# KiCad board VLF4_PCB.kicad_pcb (continued)
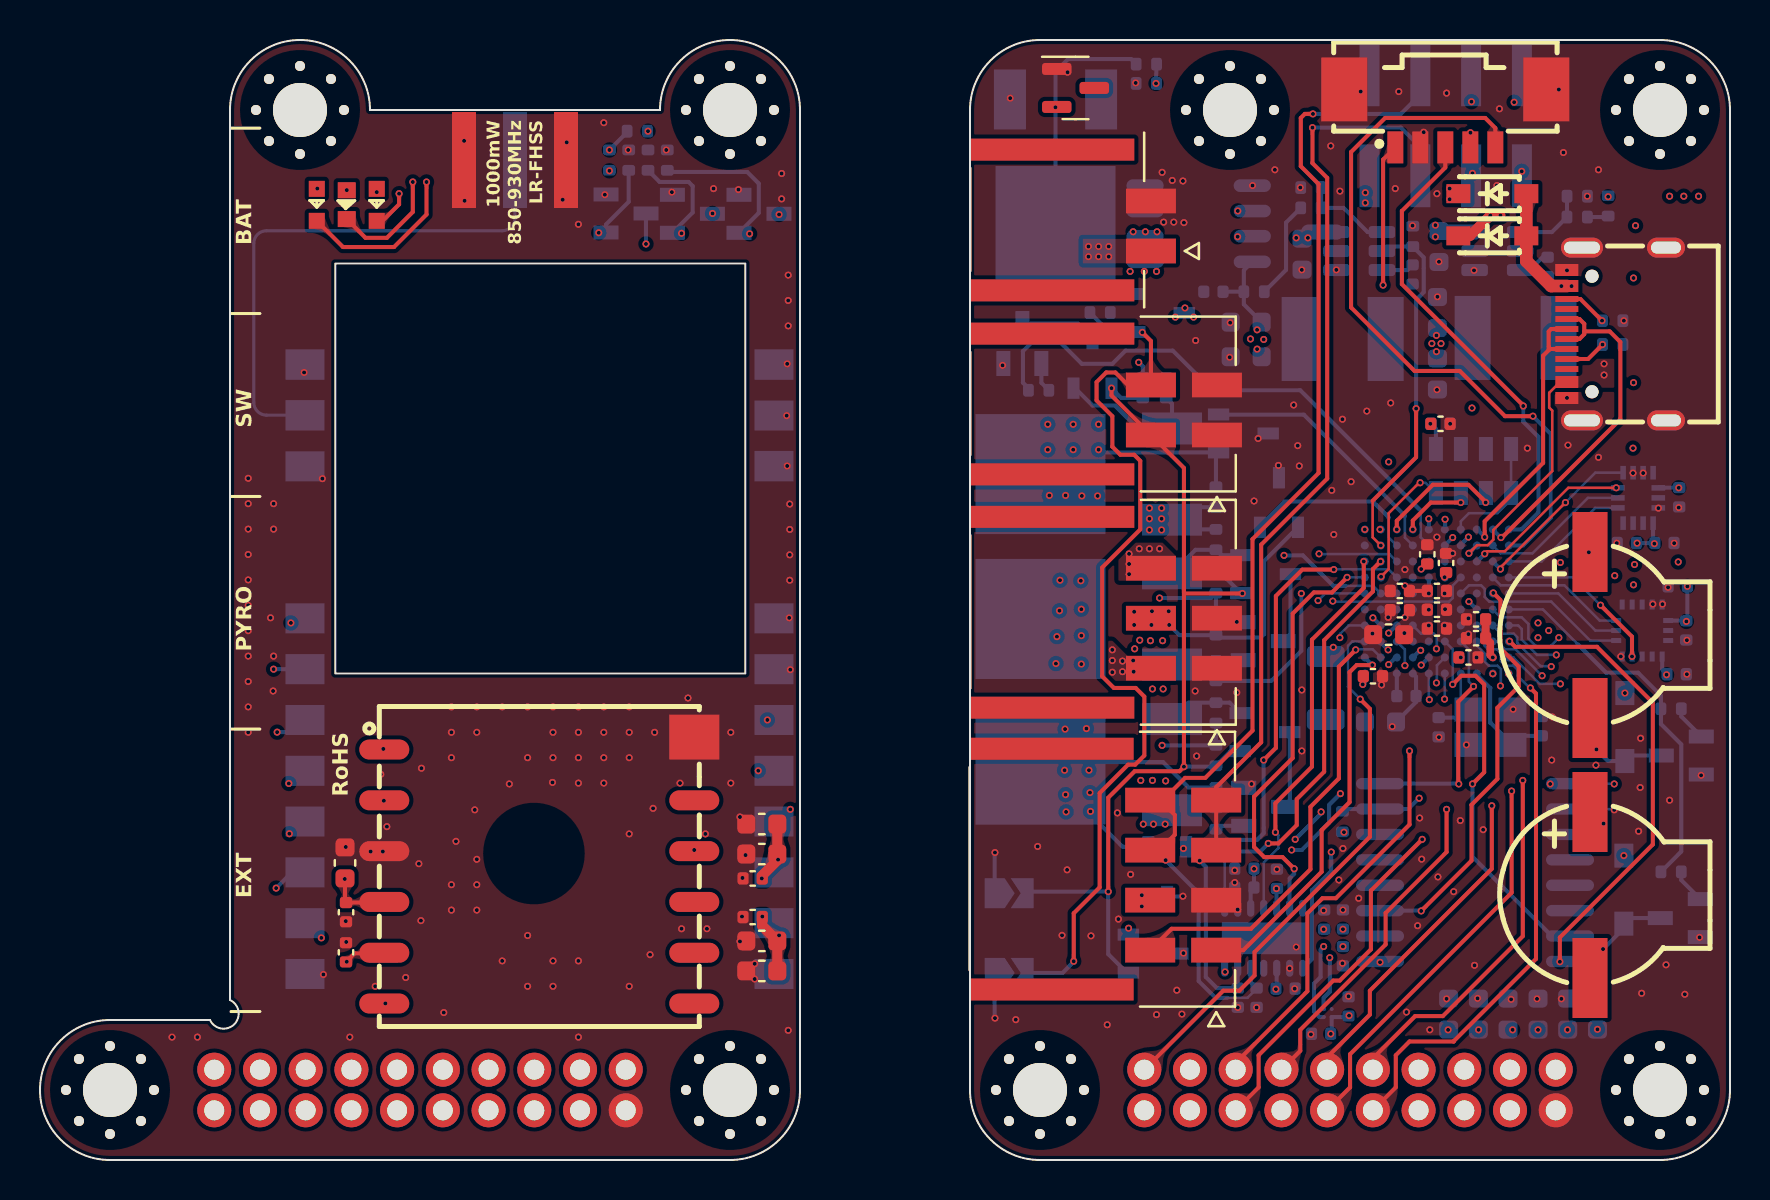
[diagram p0: board, top side]
## Nets
/Base Board/GND: C1.1 C3.2 C4.1 C5.2 C6.2 C8.2 C9.1 C10.1 C11.1 C12.1 C13.2 C14.2 C15.2 C16.2 C17.1 C18.1 C19.2 C20.2 C21.2 C22.2 C23.2 C24.2 C25.2 C26.2 C27.2 C28.2 C29.2 C30.2 C31.2 C32.2 C33.2 C41.2 C42.1 C43.2 C44.2 C45.1 C46.1 C47.1 C48.1 C49.1 C50.2 C51.2 C52.2 C53.2 C54.2 C55.1 C56.1 C57.2 D5.1 J1.1 J_BAT1.2 J_EXT1.2 J_EXT2.1 J_PYRO1.1 J_PYRO1.2 J_PYRO1.3 J_SW1.1 J_SW1.2 JP1.1 JP2.1 Q1.1 Q3.3 Q6.2 Q7.3 Q9.2 Q11.3 Q13.2 Q15.3 Q16.2 Q17.2 R1.1 R4.1 R7.1 R10.1 R25.2 R26.2 SWD1.2 SWD1.6 SWD1.7 U1.5 U2.1 U3.1 U4.10 U5.2 U5.3 U6.5 U6.12 U6.13 U6.16 U7.A1 U8.2 U8.3 U8.7 U9.C2 U9.D5 U9.E4 U9.E5 U9.E6 U9.G1 U9.J1 U12.2 U12.9 U12.15 USB1.13 USB1.14 USB1.15 USB1.16 USB1.A1B12 USB1.B1A12 X1.2 X1.4
/Base Board/Peripherals/3V3: C3.1 C4.2 C10.2 C11.2 C12.2 C13.1 C14.1 C15.1 C16.1 C17.2 C18.2 C19.1 C20.1 C21.1 C22.1 C23.1 C26.1 C27.1 C30.1 C31.1 C43.1 C46.2 C47.2 C48.2 C50.1 C55.2 C56.2 C57.1 J1.4 L1.2 L3.2 R6.2 R27.1 SWD1.4 U4.1 U4.2 U4.9 U5.1 U6.1 U6.14 U7.B1 U8.5 U8.8 U9.B2 U9.D2 U9.F4 U9.F5 U9.F6 U9.F7 U9.K1 U12.5
/Base Board/Peripherals/5V: BUZZER1.1 BUZZER2.1 C1.2 C8.1 C9.2 C41.1 C42.2 C49.2 C51.1 C52.1 C53.1 C54.1 D2.1 D3.1 D4.1 J1.2 L2.2 R9.2 U1.8 U12.3 U12.10
/Base Board/Power/5V_EN: R10.2 U3.5 U9.J9
/Extension Board/3V3: C34.2 C35.2 C36.1 J2.4 LED_G1.2 R28.1 R32.1 U10.4 U10.5
/Extension Board/5V: C37.2 C38.2 C39.1 C40.1 C58.2 C59.1 J2.2 U11.9 U11.10
/Extension Board/GND: C34.1 C35.1 C36.2 C37.1 C38.1 C39.2 C40.2 C58.1 C59.2 J2.1 Q18.2 Q19.2 Q20.2 R29.2 R30.2 R31.2 RF1.1 RF1.2 RF1.3 RF1.4 U10.3 U10.12 U11.1 U11.2 U11.3 U11.4 U11.5 U11.11 U11.12 U11.20 U11.22
/Base Board/BLUE_LED_CTRL: J1.9 U9.C4
/Base Board/CAN_H: C44.1 J_EXT1.3 J_EXT1.4 J_EXT2.4 U12.13
/Base Board/CAN_L: C45.2 J_EXT1.7 J_EXT1.8 J_EXT2.3 U12.12
/Base Board/GPS_nRST: J1.3 U9.B5
/Base Board/GPS_PPS: J1.10 U9.C5
/Base Board/GPS_RX: J1.16 U9.G2
/Base Board/GPS_TX: J1.18 U9.H2
/Base Board/GREEN_LED_CTRL: J1.13 U9.C3
/Base Board/LORA_BUSY: J1.11 U9.A1
/Base Board/LORA_CS: J1.8 U9.B3
/Base Board/LORA_DIO1: J1.12 U9.B1
/Base Board/LORA_DIO2: J1.7 U9.B4
/Base Board/LORA_MISO: J1.19 U9.J3
/Base Board/LORA_MOSI: J1.20 U9.K3
/Base Board/LORA_nRST: J1.6 U9.A2
/Base Board/LORA_RXEN: J1.15 U9.F1
/Base Board/LORA_SCK: J1.17 U9.H3
/Base Board/LORA_TXEN: J1.14 U9.E2
/Base Board/Peripherals/ACC_CLK: U6.4 U9.A7
/Base Board/Peripherals/ACC_CS: U6.8 U9.B7
/Base Board/Peripherals/ACC_MISO: U6.7 U9.A6
/Base Board/Peripherals/ACC_MOSI: U6.6 U9.D6
/Base Board/Peripherals/BARO_CLK: U5.8 U9.J7
/Base Board/Peripherals/BARO_CS: U5.4 U5.5 U9.D10
/Base Board/Peripherals/BARO_MISO: U5.6 U9.H10
/Base Board/Peripherals/BARO_MOSI: U5.7 U9.G10
/Base Board/Peripherals/BUZZER_CTRL: R23.1 R24.1 U9.A5
/Base Board/Peripherals/CAN_EN: U9.K7 U12.6
/Base Board/Peripherals/CAN_ERR_N: U9.D7 U12.8
/Base Board/Peripherals/CAN_RX: U9.K8 U12.4
/Base Board/Peripherals/CAN_STB_N: U9.J6 U12.14
/Base Board/Peripherals/CAN_TX: U9.J8 U12.1
/Base Board/Peripherals/FLASH_CLK: U4.16 U9.A3
/Base Board/Peripherals/FLASH_CS: R27.2 U4.7 U9.F2
/Base Board/Peripherals/FLASH_MISO: U4.8 U9.D3
/Base Board/Peripherals/FLASH_MOSI: U4.15 U9.E3
/Base Board/Peripherals/FLASH_nRESET: U4.3 U9.B6
/Base Board/Peripherals/IMU_CS: U8.12 U9.A8
/Base Board/Peripherals/IMU_MISO: U8.1 U9.B8
/Base Board/Peripherals/IMU_MOSI: U8.14 U9.C8
/Base Board/Peripherals/IMU_SCL: U8.13 U9.B9
/Base Board/Peripherals/MAG_SCL: U7.A2 U9.K10
/Base Board/Peripherals/MAG_SDA: U7.B2 U9.J10
/Base Board/Peripherals/USB_D+: U9.B10 USB1.A6 USB1.B6
/Base Board/Peripherals/USB_D-: U9.C10 USB1.A7 USB1.B7
/Base Board/Power/BAT_V_M: R1.2 R2.1 U9.J4
/Base Board/Power/CURR_M: U1.7 U9.H4
/Base Board/Power/CURR_REF: U1.6 U9.G4
/Base Board/Power/PWR_IN: D5.2 J_BAT1.1 Q1.3 R2.2
/Base Board/Power/PWR_SW_SIGNAL: J_SW1.4 JP1.2 Q2.1 R3.1
/Base Board/Power/SW_BAT: C5.1 C6.1 D1.1 J_EXT1.6 J_EXT2.2 Q2.3 U2.3 U3.3
/Base Board/Power/USB_IN: D1.2 D2.2 U9.C9 USB1.A4B9 USB1.B4A9
/Base Board/Pyro/ARM_DETECT: Q3.2 U9.K4
/Base Board/Pyro/ARM_SIGNAL: J_SW1.3 JP2.2 Q3.1 Q5.1 Q8.1 Q12.1 R12.2 R16.2 R20.2
/Base Board/Pyro/PYRO1_CONT: Q7.2 U9.K6
/Base Board/Pyro/PYRO1_CTRL: R13.2 U9.H7
/Base Board/Pyro/PYRO2_CONT: Q11.2 U9.H9
/Base Board/Pyro/PYRO2_CTRL: R17.2 U9.H8
/Base Board/Pyro/PYRO3_CONT: Q15.2 U9.G9
/Base Board/Pyro/PYRO3_CTRL: R21.2 U9.F9
/Base Board/Pyro/PYRO_1: J_PYRO1.4 Q4.3 Q7.1 R14.2
/Base Board/Pyro/PYRO_2: J_PYRO1.5 Q10.3 Q11.1 R18.2
/Base Board/Pyro/PYRO_3: J_PYRO1.6 Q14.3 Q15.1 R22.2
/Base Board/Pyro/PYRO_PWR: Q2.2 Q4.2 Q10.2 Q14.2 R3.2 R11.1 R12.1 R14.1 R15.1 R16.1 R18.1 R19.1 R20.1 R22.1 U1.1 U1.2
/Base Board/RED_LED_CTRL: J1.5 U9.A4
/Base Board/STM/EXT_1_UART_RX: J_EXT1.5 U9.J2
/Base Board/STM/EXT_1_UART_TX: J_EXT1.1 U9.K2
/Base Board/STM/EXT_2_I2C_SCL: J_EXT2.8 U9.D9
/Base Board/STM/EXT_2_I2C_SDA: J_EXT2.7 U9.E9
/Base Board/STM/EXT_2_UART_RX: J_EXT2.6 U9.E10
/Base Board/STM/EXT_2_UART_TX: J_EXT2.5 U9.F10
/Base Board/STM/nRST: SWD1.1 U9.E1
/Base Board/STM/SWDCLK: SWD1.5 U9.A9
/Base Board/STM/SWDIO: SWD1.3 U9.A10
/Extension Board/BLUE_LED_CTRL: J2.9 Q20.1 R31.1
/Extension Board/GPS_nRST: J2.3 U10.10
/Extension Board/GPS_PPS: J2.10 U10.6
/Extension Board/GPS_RX: J2.16 U10.1
/Extension Board/GPS_TX: J2.18 U10.2
/Extension Board/GREEN_LED_CTRL: J2.13 Q19.1 R30.1
/Extension Board/LORA_BUSY: J2.11 U11.14
/Extension Board/LORA_CS: J2.8 U11.19
/Extension Board/LORA_DIO1: J2.12 U11.13
/Extension Board/LORA_DIO2: J2.7 U11.8
/Extension Board/LORA_MISO: J2.19 U11.16
/Extension Board/LORA_MOSI: J2.20 U11.17
/Extension Board/LORA_nRST: J2.6 U11.15
/Extension Board/LORA_RXEN: J2.15 U11.6
/Extension Board/LORA_SCK: J2.17 U11.18
/Extension Board/LORA_TXEN: J2.14 U11.7
/Extension Board/RED_LED_CTRL: J2.5 Q18.1 R29.1
Net-(C28-Pad1): C28.1 U9.E7
Net-(C29-Pad1): C29.1 U9.F8
Net-(D3-+): BUZZER1.2 D3.2 Q16.3
Net-(D4-+): BUZZER2.2 D4.2 Q17.3
Net-(LED1-A): LED1.2 R32.2
Net-(LED1-C): LED1.1 Q20.3
Net-(LED_G1-C): LED_G1.1 Q19.3
Net-(LED_R1-A): LED_R1.2 R28.2
Net-(LED_R1-K): LED_R1.1 Q18.3
Net-(Q1-S): Q1.2 U1.3 U1.4
Net-(Q4-G): Q4.1 Q5.2 R11.2
Net-(Q5-D): Q5.3 Q6.3
Net-(Q6-B): Q6.1 R13.1
Net-(Q8-D): Q8.3 Q9.3
Net-(Q9-B): Q9.1 R17.1
Net-(Q10-G): Q8.2 Q10.1 R15.2
Net-(Q12-D): Q12.3 Q13.3
Net-(Q12-S): Q12.2 Q14.1 R19.2
Net-(Q13-B): Q13.1 R21.1
Net-(Q16-B): Q16.1 R23.2
Net-(Q17-B): Q17.1 R24.2
Net-(R5-Pad1): R5.1 R6.1
Net-(R8-Pad1): R8.1 R9.1
Net-(U2-BST): C2.1 U2.6
Net-(U2-FB): R4.2 R5.2 U2.4
Net-(U2-SW): C2.2 L1.1 U2.2
Net-(U3-BST): C7.1 U3.6
Net-(U3-FB): R7.2 R8.2 U3.4
Net-(U3-SW): C7.2 L2.1 U3.2
Net-(U9-PH0): C32.1 U9.C1 X1.3
Net-(U9-PH1): C33.1 U9.D1 X1.1
Net-(U9-VDDA): C24.1 C25.1 L3.1 U9.H1
Net-(U11-ANT): RF1.5 U11.21
Net-(USB1-CC1): R26.1 USB1.A5
Net-(USB1-CC2): R25.1 USB1.B5

Pads without a net: D5 3; J_BAT1 S1 S2; J_EXT1 S1 S2; J_PYRO1 S1 S2; J_SW1 S1 S2; U2 5; U4 4 5 6 11 12 13 14; U6 2 3 9 10 11 15; U8 4 6 9 10 11; U9 C6 C7 D4 D8 E8 F3 G3 G5 G6 G7 G8 H5 H6 J5 K5 K9; U10 7 8 9 11; U12 7 11; USB1 A8 B8

## Via types
v1: diameter 0.356, hole 0.203, Top to Bottom, 582 vias

## Routing (per net, layer and track width the routed paths; a pad name or vN(x,y) marks a point on that pad's centre or on a via; arc(x,y) is an arc through that point)
/Base Board/GND: length 10.5
  Bottom w0.127: v1(78.71,17.51) 78.67,17.55 U4.10
  Bottom w0.203: C25.2 68.8,22.9 C24.2 68.8,24.17 U9.G1 ; 47.72,7.12 47.7,7.09 v1(47.75,7.09) 47.75,7.14 47.73,7.13 JP1.1 ; Q7.3 57.14,13.18 v1(57.15,13.19) ; 47.72,15.35 47.7,15.37 v1(47.75,15.37) 47.75,15.32 47.73,15.34 JP2.1
  vias: v1(48.13,39.73) v1(48.51,53.09) v1(48.79,7.02) v1(49.88,15.68) v1(51.1,11.23) v1(51.38,54.39) v1(51.36,14.51) v1(52.55,11.21) v1(53.36,6.76) v1(53.87,17.35) v1(53.92,12.05) v1(54.53,14.28) v1(54.78,53.85) v1(55.83,7.27) v1(56.1,49.38) v1(56.18,46.89) v1(56.61,48.98) v1(56.69,46.89) v1(56.84,8.49) v1(57.15,48.95) v1(57.1,7.3) v1(57.2,46.87) v1(57.17,10.34) v1(57.78,40.98) v1(57.76,23.45) v1(57.83,20.2) v1(59.51,41.87) v1(59.48,40.14) v1(59.74,14.48) v1(59.74,13.87) v1(59.84,26.9) v1(59.84,23.37) v1(59.88,12.52) v1(59.89,7.63) v1(60.63,48.72) v1(60.58,18.8) v1(60.7,32.95) v1(60.83,7.63) v1(60.91,36.07) v1(61.74,49.51) v1(61.85,14.53) v1(61.92,34.73) v1(62.48,9.58) v1(62.68,37.75) v1(62.73,8.57) v1(62.81,10.65) v1(62.89,35.72) v1(63.01,48.62) v1(62.96,34.7) v1(63.09,44.51) v1(63.09,23.5) v1(63.09,20.45) v1(63.55,6.28) v1(64.18,12.48) v1(64.54,50.7) v1(64.59,33.48) v1(64.69,31.27) v1(64.82,44.51) v1(64.94,14) v1(65,48.44) v1(65.12,37.04) v1(65.15,15.58) v1(65.15,12.5) v1(65.12,9.84) v1(65.43,8.18) v1(65.55,33.91) v1(65.93,13.09) v1(66.04,53.42) v1(66.34,37.45) v1(66.62,26.32) v1(67.08,23.75) v1(67.41,27.13) v1(67.53,37.85) v1(67.61,21.67) v1(67.76,48.57) v1(67.94,53.42) v1(68.25,29.52) v1(68.32,7.4) v1(68.63,46.72) v1(68.88,11.72) v1(68.98,17.1) v1(69.08,15.04) v1(69.19,51.39) v1(69.49,6.51) v1(69.85,48.32) v1(69.85,38.51) v1(69.85,31.15) v1(69.95,44.91) v1(69.87,43.16) v1(69.95,21.14) v1(69.9,14.15) v1(70.23,28.33) v1(70.23,26.73) v1(70.33,53.35) v1(70.25,27.54) v1(70.33,8.06) v1(70.51,36.81) v1(70.63,30.33) v1(70.68,13.42) v1(71.01,16.97) v1(71.32,20.76) v1(71.42,27.08) v1(71.42,26.29) v1(71.7,44.48) v1(71.73,9.73) v1(71.83,25.13) v1(71.88,8.08) v1(72.16,16.52) v1(72.84,48.72) v1(72.97,52.56) v1(73.55,8.03) v1(73.66,22.54) v1(74.37,35.59) v1(74.85,8.06) v1(75.61,22.15) v1(75.59,20) v1(75.94,53.52) v1(76.07,8.06) v1(76.17,50.37) v1(76.35,44.48) v1(76.35,38.11) v1(76.4,35.74) v1(77.36,48.19) v1(77.8,19.74) v1(77.92,49.51) v1(77.92,35.13) v1(78.84,30.84) v1(79.04,25.18) v1(79.19,41.97) v1(79.65,34.35) v1(79.93,16.44) v1(80.03,21.09) v1(80.01,18.62) v1(80.08,8.34) v1(80.16,34.35) v1(80.64,27.79) v1(80.92,32.59) v1(81.12,27.79) v1(81.3,9.76) v1(81.4,28.63) v1(81.48,17.99) v1(81.71,30.84) v1(81.94,32.62) v1(82.24,8.29) v1(82.34,25.99) v1(82.34,24.29) v1(82.98,11.13) v1(83.05,19.23)
/Base Board/Peripherals/3V3: length 32.1
  Top w0.203: C30.1 C31.1
  Top w0.381: C26.1 C27.1 72.51,25.86 72.51,25.25 v1(72.64,25.13)
  Ground1 w0.381: v1(69.82,41.23) 75.82,47.22 77.64,47.22 78.41,47.99 v1(78.41,48.16)
  Power w0.203: 75.49,18.8 v1(75.51,18.8) v1(78.71,18.8)
  Bottom w0.127: U4.9 78.69,18.82 v1(78.71,18.8)
  Bottom w0.203: C17.2 81.11,24.54 U6.1 ; U8.5 80.93,33.62 C13.1 ; C14.1 80.65,30.94 U8.8 ; U5.1 69.8,36.56 C48.2 ; C15.1 65.37,7.15 U7.B1 64.59,6.36 C16.1 ; v1(66.14,23.78) 66.24,23.88 U9.K1 ; v1(80.72,30.82) 80.69,30.84 v1(79.85,30.84) ; C43.1 v1(61.82,13.57) 61.84,13.55 U12.5 61.85,12.6 ; U9.F7 U9.F6 ; C47.2 82.37,27.01 C18.2 82.3,26.97 U6.14
  vias: v1(64.18,11.54) v1(64.54,6.31) v1(64.66,25.63) v1(65.15,11.54) v1(65.15,10.67) v1(65.2,16.39) v1(65.45,7.22) v1(67,9.89) v1(68.25,28.71) v1(68.25,27.13) v1(68.22,26.35) v1(69.44,28.33) v1(69.44,27.51) v1(69.44,26.73) v1(69.52,36.81) v1(69.59,40.82) v1(69.82,40.42) v1(70.05,40.82) v1(70.41,6.51) v1(71.04,25.13) v1(71.52,51.36) v1(71.93,6.51) v1(74.9,26.85) v1(74.9,26.12) v1(75.43,26.47) v1(76.02,29.88) v1(78.74,29.22) v1(79.68,44.1) v1(79.68,38.87) v1(79.65,35.59) v1(79.73,29.77) v1(79.68,28.76) v1(79.78,46.72) v1(81.33,24.26) v1(81.48,48.19) v1(81.94,33.61) v1(81.91,29.9) v1(82.19,48.19) v1(82.32,26.93) v1(82.37,28.68) v1(82.93,48.19)
/Base Board/Peripherals/5V: length 10.2
  Top w0.508: v1(73.02,47.22) v1(72.51,47.22) 71.5,46.21 D2.1
  Bottom w0.203: C8.1 60.19,42.78 R9.2 ; R9.2 C1.2 ; R9.2 60.19,44.49 U1.8 ; C41.1 61.84,8.61 U12.10 ; U12.3 60.53,13.46 C42.2 60.7,13.63 60.7,14.56 v1(60.7,14.56) C49.2
  vias: v1(60.52,41.05) v1(60.85,41.51) v1(60.85,40.54) v1(61.19,41.03) v1(61.79,8.54) v1(73.63,6.51) v1(74.9,6.51) v1(76.37,6.51) v1(77.44,30.38) v1(77.87,6.53) v1(78.18,16.82) v1(79.24,23.35) v1(79.19,15.22)
/Base Board/Power/5V_EN: length 18
  Top w0.127: 66.63,32.96 66.63,31.13 v1(67.04,30.73) ; 68.75,35.08 68.81,35.13
  Top w0.203: 68.81,35.13 v1(68.81,37.57) ; 66.63,32.96 68.75,35.08
  Bottom w0.203: 68.81,37.6 68.81,43.01 69.19,43.39 69.19,45.13 R10.2 67.32,45.67 U3.5
/Extension Board/3V3: length 87.8
  Top w0.203: 17.59,10.33 15.73,10.33 15.34,9.94 v1(15.34,9.91) 15.31,9.91 15.3,9.9 ; 17.59,12.87 15.3,12.87 C34.2 15.25,12.92 15.25,14.04 v1(15.24,14.05) 15.25,14.07 C35.2
  Ground1 w0.508: 21.96,9.55 21.61,9.91 v1(15.34,9.91) ; 21.96,9.55 J2.4 ; 21.96,9.55 19.81,11.71 19.81,14.18 ; 19.81,14.18 19.71,14.08 15.26,14.08 v1(15.24,14.05) ; 19.81,14.18 19.81,21.19 17.9,23.09 14.14,23.09 13.36,23.88 13.36,33.13 12.21,34.27 12.21,43.77 v1(16.84,48.39)
  In.Cu w0.508: v1(16.84,48.39) 16.84,47.81 17.9,46.74 25.96,46.74 27.68,48.47 27.68,49.71 v1(28.47,50.5)
  Bottom w0.203: R28.1 29.36,51.39 R32.1
/Extension Board/5V: length 5.8
  Top w0.508: C39.1 36.11,11.71 C40.1 C59.1 ; v1(36.9,15.02) 36.11,14.23 C37.2 ; C58.2 C38.2
  vias: v1(36.09,14.08) v1(36.12,12.17) v1(36.95,11.23)
/Extension Board/GND:
  vias: v1(6.6,6.15) v1(7.87,6.15) v1(10.41,34.09) v1(10.41,32.82) v1(10.41,31.55) v1(10.41,30.28) v1(10.41,29.01) v1(10.41,27.74) v1(10.41,26.47) v1(10.41,25.2) v1(10.41,23.93) v1(10.41,22.66) v1(10.41,21.39) v1(11.53,27.11) v1(11.68,32.82) v1(11.68,31.55) v1(11.68,25.2) v1(11.66,23.45) v1(13.2,39.38) v1(14.12,34.07) v1(14.17,9.28) v1(15.29,15.65) v1(15.29,11.94) v1(15.31,10.9) v1(15.49,6.15) v1(16.53,15.42) v1(16.76,8.69) v1(17.04,19.28) v1(17.14,15.42) v1(17.34,16.67) v1(18.28,9.12) v1(18.94,14.81) v1(19.05,11.97) v1(19.07,19.59) v1(20.19,7.37) v1(20.57,22.66) v1(20.57,21.39) v1(20.57,20.12) v1(20.57,13.77) v1(20.57,12.5) v1(20.8,15.93) v1(21.21,50.96) v1(21.23,47.96) v1(21.74,17.51) v1(21.84,22.66) v1(21.84,21.39) v1(21.84,15.04) v1(21.84,13.77) v1(21.84,12.5) v1(23.11,22.66) v1(23.11,9.96) v1(23.47,18.8) v1(24.38,22.66) v1(24.38,20.12) v1(24.38,11.23) v1(24.38,8.69) v1(25.62,18.88) v1(25.65,22.66) v1(25.65,21.39) v1(25.65,20.12) v1(25.65,9.96) v1(25.65,8.69) v1(26.13,48.01) v1(26.34,50.88) v1(26.92,46.79) v1(26.92,22.66) v1(26.92,21.39) v1(26.92,20.12) v1(26.92,18.85) v1(26.92,9.96) v1(26.92,6.15) v1(28.19,51.87) v1(28.24,48.27) v1(28.19,22.66) v1(28.19,21.39) v1(28.19,20.12) v1(28.19,18.85) v1(29.41,50.5) v1(29.46,22.66) v1(29.46,21.39) v1(29.46,20.12) v1(29.46,16.31) v1(29.46,8.69) v1(30.5,10.27) v1(30.73,21.39) v1(30.65,17.58) v1(31.31,50.5) v1(31.59,48.39) v1(32,18.85) v1(32.08,11.56) v1(32.4,23.1) v1(33.27,16.31) v1(33.35,11.56) v1(33.68,48.57) v1(34.54,21.39) v1(34.54,18.85) v1(34.92,48.52) v1(35,17.15) v1(35,10.93) v1(35.12,14.1) v1(35.1,12.17) v1(35.28,15.25) v1(35.73,9.81) v1(35.73,9.05) v1(37.08,49.33) v1(37.08,48.06) v1(37.33,37.22) v1(37.41,44.25) v1(37.41,42.98) v1(37.41,41.71) v1(37.36,39.81) v1(37.36,34.7) v1(37.41,6.48) v1(37.49,32.8) v1(37.49,31.53) v1(37.49,30.26) v1(37.49,28.99) v1(37.46,27.11) v1(37.51,24.52)
/Base Board/BLUE_LED_CTRL: length 30.6
  Top w0.203: J1.9 67.79,3.63 67.79,5.24 68.47,5.92 70.68,5.92 70.68,5.94 74.8,10.05 74.8,23.32 v1(74.52,23.6)
  Bottom w0.127: U9.C4 72.23,26.34 72.23,25.72 72.41,25.53 72.84,25.53 73.05,25.33 73.05,24.95 73.28,24.72 73.66,24.72 73.88,24.49 73.88,24.21 74.49,23.6 v1(74.52,23.6)
/Base Board/CAN_H: length 54.7
  Top w0.203: J_EXT1.3 J_EXT1.4 58.81,18.64 61.06,20.88 61.06,30.77 64.36,34.07 64.36,49.1 63.62,49.84 v1(63.62,51.62)
  Bottom w0.203: v1(63.62,51.62) 68.04,51.62 69.02,50.65 J_EXT2.4 ; U12.13 59.88,8.6 C44.1 58.85,8.59 58.29,9.15 58.29,14.66 v1(57.98,14.97)
/Base Board/CAN_L: length 61.8
  Top w0.203: v1(63.65,52.3) 63.24,52.3 63.04,52.1 63.04,49.69 63.93,48.8 63.93,34.35 60.63,31.04 60.63,21.47 58.26,19.11 57.25,19.11 56.14,17.99 J_EXT1.8 56,17.99 56.74,17.25 56.74,16.26 55.97,15.49 J_EXT1.7
  Bottom w0.127: C45.2 60.83,8.57 60.37,8.11 59.36,8.11
  Bottom w0.203: J_EXT2.3 69.02,53.28 68.04,52.3 v1(63.65,52.3) ; v1(56.28,14.99) 57.93,13.34 57.93,8.95 58.77,8.11 59.36,8.11 ; U12.12 60.53,8.89 C45.2
/Base Board/GPS_nRST: length 35.6
  In.Cu w0.203: J1.3 74.65,3.63 74.65,5.26 75.61,6.23 75.61,8.36 76.96,9.71 78.97,9.71 80.95,11.69 80.95,22.76 79.35,24.36 77.69,24.36 v1(75.94,26.12)
  Bottom w0.127: U9.B5 73.03,27.13 74.09,27.13 74.42,26.8 74.42,26.08 74.81,25.69 75.51,25.69 v1(75.94,26.12)
/Base Board/GPS_PPS: length 29
  Top w0.203: J1.10 66.64,5.08 68.75,7.19 70.14,7.19 74.14,11.19 v1(74.14,18.98)
  In.Cu w0.127: 74.04,22.05 74.04,24.64 72.77,25.91 72.77,26.6 v1(71.45,27.92)
  In.Cu w0.203: v1(74.14,18.98) 74.14,21.95 74.04,22.05
  Bottom w0.203: U9.C5 v1(71.45,27.92)
/Base Board/GPS_RX: length 25.7
  Top w0.203: v1(68.47,20.45) 68.47,16.77 64.79,13.09 64.12,13.09 63.37,12.33 63.37,8.44 59.78,4.85 J1.16
  In.Cu w0.127: v1(68.47,20.45) 68.68,20.66 68.68,25.13 v1(69.03,25.48)
  Bottom w0.127: v1(69.03,25.48) 69,25.48
  Bottom w0.203: 69,25.48 U9.G2
/Base Board/GPS_TX: length 28.8
  In.Cu w0.127: 67.48,24.77 v1(67.43,24.77) 67.84,24.36 67.84,23.07
  In.Cu w0.203: 67.84,23.07 67.84,22.66 67.18,22 67.18,11.82 67.48,11.51 67.48,9.51 65.71,7.73 61.73,7.73 61.07,7.07 59.46,7.07 57.5,5.11 J1.18
  Bottom w0.127: U9.H2 67.79,25.13
  Bottom w0.203: 67.79,25.13 v1(67.43,24.77)
/Base Board/GREEN_LED_CTRL: length 30.5
  In.Cu w0.127: 72.97,18.45 72.64,18.78 72.64,23.32 v1(73.02,23.7)
  In.Cu w0.203: 72.97,18.45 73.07,18.34 73.07,13.85 69.11,9.89 69.11,8.77 66.11,5.77 63.72,5.77 63.22,5.26 63.22,3.63 J1.13
  Bottom w0.127: v1(73.02,23.7) 73.05,23.73 73.05,24.54 72.87,24.72 72.44,24.72 72.26,24.9 72.26,25.3 71.84,25.72 U9.C3
/Base Board/LORA_BUSY: length 25.8
  Top w0.203: J1.11 65.5,3.63 65.5,5.29 73.58,13.37 v1(73.58,18.45)
  In.Cu w0.127: 73.29,21.89 73.29,22.8 73.43,22.94 v1(73.43,24.31)
  In.Cu w0.203: v1(73.58,18.45) 73.58,19.67 73.29,19.96 73.29,21.89
/Base Board/LORA_CS: length 25.4
  In.Cu w0.203: J1.8 68.93,7.62 75.1,13.8 v1(75.1,24.21)
  Bottom w0.127: v1(75.1,24.21) 73.78,25.53 73.25,25.53 72.84,25.94 72.65,25.94 U9.B3
/Base Board/LORA_DIO1: length 23.6
  Top w0.203: J1.12 64.36,5.13 66.49,7.27 66.49,8.46 72.59,14.56 v1(72.59,17.71)
  In.Cu w0.127: 72.56,24.24 72.08,23.75 72.08,18.14 72.56,17.66
  vias: v1(72.64,24.31)
/Base Board/LORA_DIO2: length 29.3
  In.Cu w0.203: J1.7 70.07,3.63 70.07,5.39 71.04,6.36 71.04,8.44 76.07,13.47 76.07,22.79 75.56,23.3 v1(75.56,24.67)
  Bottom w0.127: v1(75.56,24.67) 75.54,24.69 75.03,24.69 73.86,25.86 73.86,26.14 73.68,26.32 73.05,26.32 U9.B4
/Base Board/LORA_MISO: length 33.5
  In.Cu w0.127: 67.48,23.12 67.48,24.03 67.03,24.49 67.03,25.13 v1(67.41,25.51)
  In.Cu w0.203: 67.48,23.12 66.57,22.21 66.57,9.45 65.78,8.67 64.06,8.67 62.73,9.99 61.21,9.99 56.36,5.14 56.36,3.66 55.21,2.52
  Bottom w0.203: v1(67.41,25.51) 67.04,25.88 U9.J3
/Base Board/LORA_MOSI: length 27.7
  Top w0.203: J1.20 59.16,8.46 59.97,8.46 60.73,9.23 60.73,10.39 66.49,16.16 66.49,22.56 v1(66.01,23.04)
  Bottom w0.127: U9.K3 65.62,25.93 65.4,25.71 65.4,23.65 v1(66.01,23.04)
/Base Board/LORA_nRST: length 25.4
  In.Cu w0.203: v1(76.02,23.81) 77.19,22.64 77.19,12.91 72.62,8.34 72.62,6.46 71.22,5.06 J1.6
  Bottom w0.127: U9.A2 73.67,25.13 74.99,23.81 v1(76.02,23.81)
/Base Board/LORA_RXEN: length 26.1
  Top w0.203: v1(69.11,16.03) 66.54,13.47 66.54,10.53 64.99,8.97 64.66,8.97 60.93,5.24 60.93,3.63 J1.15
  In.Cu w0.127: v1(69.47,23.02) 69.47,20.02 69.54,19.94
  In.Cu w0.203: 69.54,19.94 69.54,16.49 69.11,16.06 v1(69.11,16.03)
  Bottom w0.127: v1(69.47,23.02) 69.44,23.04 U9.F1
/Base Board/LORA_SCK: length 31.8
  In.Cu w0.127: v1(68.25,24.72) 68.25,23.27
  In.Cu w0.203: J1.17 58.65,3.63 58.65,5.06 59.86,6.28 61.13,6.28 61.64,6.79 65.86,6.79 68.37,9.3 68.37,13.04 67.87,13.54 67.87,20.99 68.25,21.37 68.25,23.27
  Bottom w0.127: U9.H3 68.25,25.52 v1(68.25,24.72) 68.25,24.69
  Bottom w0.203: U9.H3 67.84,25.89
/Base Board/LORA_TXEN: length 24.4
  Top w0.203: J1.14 63.01,5.46 63.01,6.51 67.28,10.78 67.28,12.35 70.33,15.4 v1(70.33,17.53)
  In.Cu w0.127: v1(69.82,23.86) 69.86,23.82 69.86,22.62 70.33,22.15 70.33,19.92
  In.Cu w0.203: v1(70.33,17.53) 70.33,19.92
  Bottom w0.127: v1(69.82,23.86) 69.85,23.88 69.85,24.73 U9.E2
/Base Board/Peripherals/ACC_CLK: length 8.4
  Top w0.203: v1(78.03,27.74) 79.6,26.17 v1(79.6,25.18)
  Bottom w0.127: v1(78.03,27.74) 76.64,29.13 U9.A7
/Base Board/Peripherals/ACC_CS: length 7.1
  Bottom w0.127: U6.8 77.98,26.97 76.22,28.73 73.03,28.73 U9.B7
/Base Board/Peripherals/ACC_MISO: length 6.1
  Bottom w0.127: U6.7 77.77,26.47 75.92,28.33 U9.A6
/Base Board/Peripherals/ACC_MOSI: length 9.3
  Bottom w0.127: U9.D6 71.45,28.73 72.06,28.73 72.23,28.56 72.23,28.15 72.46,27.92 75.56,27.92 77.51,25.97 U6.6
/Base Board/Peripherals/BARO_CLK: length 6.5
  Top w0.127: v1(69.01,33.86) 68.96,33.86 67.43,32.34 67.43,29.55 v1(67.05,29.17)
  Bottom w0.127: U5.8 69.28,33.86 v1(69.01,33.86)
/Base Board/Peripherals/BARO_CS: length 5.9
  Bottom w0.127: U9.D10 71.04,31.93 71.45,32.34 72.87,32.34 73.56,33.03 U5.5 U5.4
/Base Board/Peripherals/BARO_MISO: length 6
  Top w0.203: v1(67.84,31.53) 67.84,31.96 69.64,33.76 71.42,33.76 72.28,32.9 v1(72.28,32.87)
/Base Board/Peripherals/BARO_MOSI: length 3.2
  Top w0.203: v1(71.04,32.87) 69.54,32.87 68.64,31.97 v1(68.64,31.53) 68.63,31.53
/Base Board/Peripherals/BUZZER_CTRL: length 19.1
  Bottom w0.127: U9.A5 75.15,27.53 76.88,25.79
  Bottom w0.203: R23.1 81.05,23.22 79.9,24.36 78.31,24.36 76.88,25.79 ; R23.1 81.05,21.8 82.06,20.78 82.06,15.43 R24.1 ; R23.1 81.05,22.51
/Base Board/Peripherals/CAN_EN: length 21.4
  Top w0.203: v1(65.35,29.13) 64.6,28.38 63.69,28.38 62.63,27.32 62.63,20.1 60.7,18.17 60.7,15.65 61.21,15.14 62.12,15.14 v1(62.71,14.56)
  Bottom w0.127: U9.K7 65.36,29.13 v1(65.35,29.13)
  Bottom w0.203: v1(62.71,14.56) 62.71,14.31 62.49,14.08 U12.6
/Base Board/Peripherals/CAN_ERR_N: length 26.7
  In.Cu w0.203: v1(64.64,27.95) 64.08,27.39 64.08,25.18 64.56,24.69 v1(64.56,15.4)
  Bottom w0.127: U9.D7 70.63,28.72 70.63,28.1 70.46,27.92 64.66,27.92 v1(64.64,27.95)
  Bottom w0.203: v1(64.56,15.4) 64.56,14.46 63.6,13.49 63.6,10.05 U12.8
/Base Board/Peripherals/CAN_RX: length 19.6
  Top w0.203: v1(61.77,16.39) 61.77,17.84 63.6,19.67 63.6,26.02 66.19,28.61 v1(66.19,29.93) U9.K8
  Bottom w0.127: U12.4 61.19,14.86 61.92,15.6 61.92,16.24 v1(61.77,16.39)
/Base Board/Peripherals/CAN_STB_N: length 36.8
  In.Cu w0.203: v1(59.25,9.4) 55.52,9.4 52.35,12.58 52.35,13.65 53.79,15.09 55.32,15.09 61.03,20.81 61.03,29.65 61.62,30.23 v1(62.2,30.23)
  Bottom w0.127: 65.27,28.71 66.66,28.71 U9.J6
  Bottom w0.203: v1(62.2,30.23) 63.14,30.23 64.66,28.71 65.27,28.71
/Base Board/Peripherals/CAN_TX: length 21.6
  Top w0.203: v1(61.41,15.83) 61.92,15.83 62.84,16.74 62.84,18.04 64.21,19.41 64.21,25.99 66.65,28.43 66.65,29.55 v1(67.03,29.93)
  Bottom w0.127: U12.1 59.24,14.97 59.69,15.42
  Bottom w0.203: 59.69,15.42 61.01,15.42 v1(61.41,15.83)
/Base Board/Peripherals/FLASH_CLK: length 23.3
  Top w0.203: v1(73.48,25.94) 73.76,25.66 77.85,25.66 80.64,22.87 80.64,15.78 75.99,11.13 v1(75.99,9.91)
/Base Board/Peripherals/FLASH_CS: length 11.3
  In.Cu w0.127: v1(69.06,24.75) 69.06,18.19 v1(68.96,18.09)
  Bottom w0.203: R27.2 65.24,17.55 U4.7 68.41,17.55 v1(68.96,18.09) ; U9.F2 69.44,25.13 v1(69.06,24.75)
/Base Board/Peripherals/FLASH_MISO: length 11.7
  Top w0.203: v1(71.68,23.68) 70.91,22.92 70.91,18.83 v1(70.94,18.8)
  Bottom w0.127: U9.D3 71.45,25.52 71.45,23.91 v1(71.68,23.68)
  Bottom w0.203: U4.8 70.92,18.82 v1(70.94,18.8)
/Base Board/Peripherals/FLASH_MOSI: length 19.6
  Top w0.203: v1(70.63,23.78) 71.07,24.21 71.78,24.21 72.21,23.78 72.21,19.39 v1(71.62,18.8)
  Bottom w0.127: U9.E3 70.63,25.53 v1(70.63,23.78)
  Bottom w0.203: v1(71.62,18.8) 71.62,15.16 75.59,11.2 U4.15
/Base Board/Peripherals/FLASH_nRESET: length 20.5
  Top w0.203: v1(72.67,28.35) 73.02,28 73.02,25.58 73.94,24.67 73.94,23.68 72.87,22.61 72.87,19.06 71.57,17.76 71.57,14.97 v1(69.06,12.45)
  Bottom w0.203: v1(69.06,12.45) 69.04,12.47 U4.3
/Base Board/Peripherals/IMU_CS: length 6.6
  Bottom w0.127: U8.12 77.76,32.61 75.08,29.93 U9.A8
/Base Board/Peripherals/IMU_MISO: length 8.7
  Top w0.127: v1(76.27,32.87) 73.02,29.62 v1(73.02,29.55)
  Bottom w0.127: U8.1 77.76,34.37 v1(76.27,32.87)
  Bottom w0.203: U9.B8 v1(73.02,29.55)
/Base Board/Peripherals/IMU_MOSI: length 8.5
  Top w0.127: v1(78.81,33.61) 76.42,33.61 73.24,30.44 72.36,30.44 v1(72.23,30.31)
  Bottom w0.127: U9.C8 71.85,29.93
  Bottom w0.203: 71.85,29.93 v1(72.23,30.31)
/Base Board/Peripherals/IMU_SCL: length 7.6
  Bottom w0.127: U9.B9 73.03,30.33 74.62,30.33 77.39,33.11 U8.13
/Base Board/Peripherals/MAG_SCL: length 25.6
  In.Cu w0.203: v1(66.24,31.53) 65.78,31.07 65.78,26.19 66.39,25.58 66.39,25.3 65.45,24.36 65.45,22.46 65.76,22.15 65.76,14.15 64.66,13.06 64.66,10.29 v1(64.49,10.12)
  Bottom w0.203: v1(64.49,10.12) 64.49,8.41 64.18,8.11 64.18,7.55 U7.A2
/Base Board/Peripherals/MAG_SDA: length 30
  In.Cu w0.203: 67.01,31.57 67,31.58 v1(67,31.53) 66.37,32.16 64.18,32.16 62.66,30.64 62.66,19.46 63.47,18.65 63.47,11.39 v1(64.18,10.67)
  Bottom w0.203: U7.B2 63.98,7.15 63.7,7.42 63.7,8.82 64.03,9.15 64.03,10.52 v1(64.18,10.67)
/Base Board/Peripherals/USB_D+: length 17.3
  Top w0.203: USB1.B6 76.97,42.05 77.21,41.81 77.21,41.43 ; 77.21,41.43 78.48,41.43 79.02,40.9 79.02,37.04 73.1,31.12 v1(73.05,31.12) ; 77.21,41.43 77.21,41.29 76.97,41.05 USB1.A6
  Bottom w0.203: U9.B10 v1(73.05,31.12)
/Base Board/Peripherals/USB_D-: length 14
  Top w0.203: 75.43,40.49 75.16,40.21 75.16,34.85 72.23,31.93 v1(72.23,31.15) ; 75.43,40.49 75.43,41.42 75.56,41.55 USB1.A7 ; 75.43,40.49 75.49,40.55 USB1.B7
  Bottom w0.127: U9.C10 71.85,31.53
  Bottom w0.203: 71.85,31.53 v1(72.23,31.15)
/Base Board/Power/BAT_V_M: length 33.6
  In.Cu w0.127: 66.65,32.87 67.41,32.11 67.41,31.04 67.66,30.79 67.66,28.12 v1(66.65,27.11)
  In.Cu w0.203: 66.65,32.87 66.65,36.36 57.73,45.28 57.73,49.1 55.8,51.03 v1(55.8,53.83)
  Bottom w0.127: U9.J4 67.03,26.73
  Bottom w0.203: R2.1 v1(55.8,53.83) R1.2 ; 67.03,26.73 v1(66.65,27.11)
/Base Board/Power/CURR_M: length 24.5
  In.Cu w0.127: 68.27,31.98 68.27,31.1 68.61,30.75 68.61,28.48 67.83,27.7 67.83,26.74 v1(67.43,26.35)
  In.Cu w0.203: v1(59.88,46.16) 68.27,37.77 68.27,31.98
  Bottom w0.203: U9.H4 67.81,26.73 v1(67.43,26.35)
/Base Board/Power/CURR_REF: length 29.1
  Ground1 w0.127: 68.22,34.12 68.22,31.02
  Ground1 w0.152: v1(69.82,25.56) 69.82,25.58 68.63,26.78 68.63,30.61 68.22,31.02 ; v1(67.43,34.91) 68.22,34.12
  In.Cu w0.203: v1(59.89,47.45) 59.74,47.45 58.8,46.51 58.8,45.65 67.42,37.03 67.42,34.92 v1(67.43,34.91)
  Bottom w0.127: U9.G4 69.05,26.32 69.69,26.32 69.85,26.17 69.85,25.58 v1(69.82,25.56)
  Bottom w0.152: v1(69.82,25.56) 69.81,25.55
/Base Board/Power/PWR_IN: length 12.4
  Bottom w0.203: Q1.3 50.78,52.63 v1(50.77,52.63) 50.78,52.64 50.78,54.41 50.77,54.41 51.41,55.05 54.55,55.05 R2.2
  vias: v1(52.42,45.68) v1(52.42,45.17) v1(52.93,45.68) v1(52.93,45.17) v1(53.44,45.68) v1(53.44,45.17)
/Base Board/Power/PWR_SW_SIGNAL: length 45.6
  Top w0.203: v1(51.69,9.94) 51.69,12.34 52.98,13.63 52.98,18.34 54.4,19.77 54.76,19.77 55.22,20.22 55.22,23.17 54.78,23.6 53.69,23.6 53.11,24.19 53.11,29.62 55.01,31.53 55.01,34.96 54.71,35.26 54.02,35.26 53.62,35.67 53.62,37.19 52.83,37.98 52.83,38.89 53.31,39.38 53.77,39.38 54.39,38.75 J_SW1.4 55.55,40.95 v1(55.11,41.38)
  Bottom w0.203: JP1.2 51.13,9.35 51.69,9.91 v1(51.69,9.94) ; R3.1 53.47,41.4 Q2.1
/Base Board/Power/SW_BAT: length 3.7
  Bottom w0.203: 63.43,46.4 C6.1 ; 70,46.4 C5.1
  Bottom w0.762: U2.3 70,46.4 ; U3.3 63.43,46.4
  vias: v1(55.09,13.24) v1(55.09,12.68) v1(56.77,42.14) v1(57.25,42.6) v1(57.68,42.14) v1(62.81,46.11) v1(63.39,46.11) v1(66.26,48.37) v1(66.26,47.86) v1(69.77,46.74) v1(69.77,46.16) v1(70.48,48.57) v1(70.48,48.04)
/Base Board/Power/USB_IN: length 17.7
  Top w0.127: USB1.A4B9 76,38.9 75.46,38.36 75.46,37.62 75.61,37.47 75.61,34.45 72.67,31.5 72.67,31.02 72.39,30.74 71.85,30.74 v1(71.45,30.33)
  Top w0.635: USB1.B4A9 75.56,43.7 74.32,44.95 D1.2
  Bottom w0.203: U9.C9 v1(71.45,30.33)
  vias: v1(76.07,43.69) v1(76.58,43.69) v1(78.2,39.81) v1(78.2,39.25)
/Base Board/Pyro/ARM_DETECT: length 23.9
  In.Cu w0.203: v1(54.43,11.59) 58.03,11.59 59.6,13.16 60.45,13.16 61.29,14 61.29,14.97 61.82,15.5 v1(62.58,15.5) ; v1(65,26.12) 65.07,26.04 65.07,18.37 v1(65.02,18.32)
  Bottom w0.127: U9.K4 65.43,26.73 65,26.29 v1(65,26.12)
  Bottom w0.203: v1(65.02,18.32) 64.46,17.76 64.46,16.87 63.09,15.5 v1(62.58,15.5)
/Base Board/Pyro/ARM_SIGNAL: length 48.4
  Top w0.203: v1(60.12,28.33) 57.25,28.33 57.2,28.38 57.2,28.76 ; 57.2,28.76 v1(57.2,19.67) 56.97,19.44 54.73,19.44 53.41,18.12 v1(53.41,13.42) ; 57.2,28.76 57.2,34.6 J_SW1.3 53.58,38.22 v1(53.58,38.59)
  Bottom w0.203: Q5.1 59.53,20.44 R12.2 58.75,19.67 v1(57.2,19.67) ; R16.2 59.02,29.37 Q8.1 ; 49.45,13.34 JP2.2 49.26,13.42 v1(53.41,13.42) 53.41,10.29 54.34,9.37 ; R20.2 54.06,38.1 v1(53.58,38.59)
/Base Board/Pyro/PYRO1_CONT: length 22.5
  In.Cu w0.203: v1(64.06,17.4) 64.06,24.16 63.32,24.9 63.32,27.39 v1(63.9,27.97) ; v1(62.76,16.03) 62.76,16.67 62.35,17.07 58.67,17.07 v1(57.17,15.58)
  Bottom w0.127: U9.K6 64.26,28.33 v1(63.9,27.97)
  Bottom w0.203: v1(62.76,16.03) 64.06,17.33 v1(64.06,17.4)
/Base Board/Pyro/PYRO1_CTRL: length 21.6
  Top w0.203: v1(64.69,29.52) 63.12,29.52 61.79,28.2 61.79,20.61 v1(61.19,20)
  Bottom w0.127: v1(64.69,29.52) 64.7,29.53 67.43,29.53 U9.H7
  Bottom w0.203: R13.2 59.28,16.01 60.85,16.01 61.19,16.34 v1(61.19,20)
/Base Board/Pyro/PYRO2_CONT: length 8.9
  Bottom w0.127: U9.H9 67.43,31.13 67.43,32.09
  Bottom w0.203: Q11.2 61,31.69 62.23,32.92 66.65,32.92 67.43,32.14 67.43,32.09
/Base Board/Pyro/PYRO2_CTRL: length 14.2
  In.Cu w0.203: v1(63.06,28.33) 63.06,29.42 v1(63.95,30.31)
  Bottom w0.127: U9.H8 67.47,30.3 63.97,30.3 v1(63.95,30.31)
  Bottom w0.203: 63.06,28.35 v1(63.06,28.33) 63.06,25.46 61.56,23.96 R17.2
/Base Board/Pyro/PYRO3_CONT: length 12.7
  Bottom w0.127: U9.G9 68.25,31.12 68.25,32.19
  Bottom w0.203: 68.25,32.19 68.25,32.21 63.19,37.27 59.34,37.27 59.29,37.22
/Base Board/Pyro/PYRO3_CTRL: length 28.1
  Bottom w0.127: 69.03,32.47 69.03,31.13 U9.F9
  Bottom w0.203: 69.03,32.47 63.01,38.49 58.62,38.49 56.64,40.47 54.28,40.47 53.62,39.81 52.09,39.81 51.05,40.85 49.55,40.85 49.15,40.44 49.15,38.87 49.42,38.59 R21.2
/Base Board/Pyro/PYRO_1: length 16.4
  Bottom w0.203: R14.2 57.42,18.63 56.16,19.89 50.15,19.89 50.02,19.77 54.13,15.66 55.41,15.66
  vias: v1(51.23,19.49) v1(51.25,21.55) v1(51.28,18.27) v1(51.3,17.4) v1(52.32,21.57) v1(52.45,19.49) v1(52.5,18.37) v1(52.52,17.43) v1(53.62,25.51) v1(53.62,24.97) v1(53.62,24.39) v1(54.12,24.95) v1(54.12,24.42) v1(54.66,24.97) v1(54.68,24.42)
/Base Board/Pyro/PYRO_2: length 11.1
  Bottom w0.203: Q11.1 62.89,31.63 61.21,29.95 61.21,26.29 61.03,26.12 58.92,26.12 R18.2 56.97,26.24 v1(56.46,26.75)
  vias: v1(50.85,26.17) v1(50.8,24.82) v1(51,28.99) v1(50.97,27.46) v1(52.04,28.96) v1(52.07,27.54) v1(52.07,26.22) v1(52.07,24.8) v1(54.71,27.41) v1(54.71,26.75) v1(55.6,27.44) v1(55.57,26.75) v1(56.44,27.44)
